# Altium PCB 400484.PcbDoc (part 5 of 5)
Units mil, origin at the board's own origin, x right, y up, seen from the top; angles counter-clockwise.
Board outline 5375.1 x 2500 mil, 4 copper layers (Top Layer, Mid-Layer 1, Mid-Layer 2, Bottom Layer), stack 61.731 mil thick; 327 components, 226 nets, 1370 pads, 1365 vias.
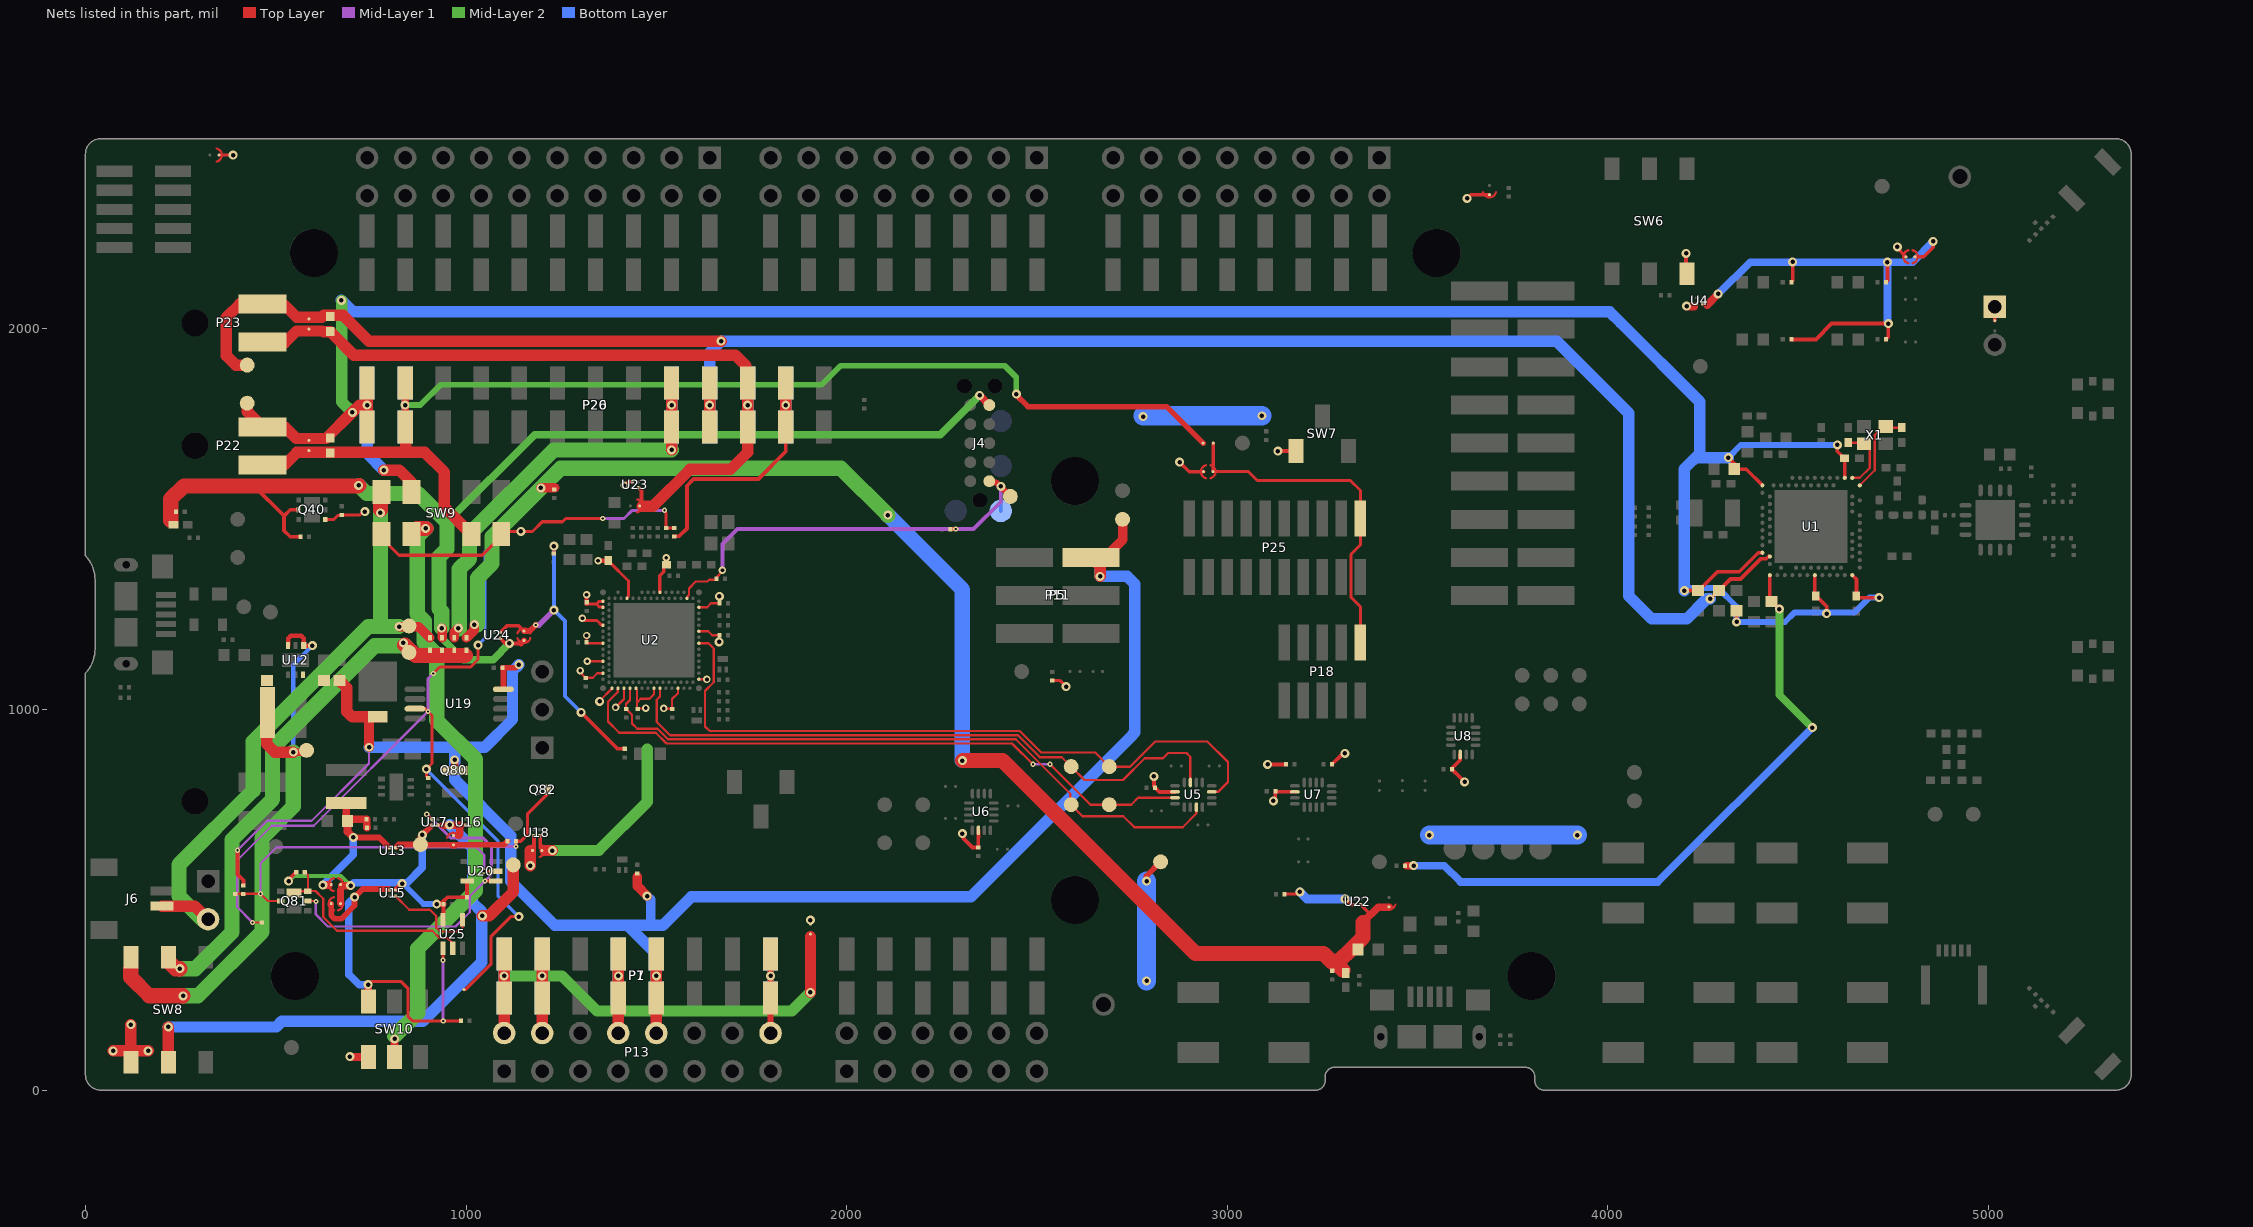
[diagram p7: the nets of this part, all layers, seen from the top]

## Via types
v1: diameter 23.62, hole 11.81, Top Layer to Bottom Layer, tented both sides, 881 vias
v2: diameter 19.68, hole 9.84, Top Layer to Bottom Layer, tented both sides, 281 vias
v3: diameter 13.78, hole 5.91, Top Layer to Mid-Layer 1, tented both sides, 129 vias
v4: diameter 13.78, hole 5.91, Top Layer to Mid-Layer 1, tented top, 40 vias
v5: diameter 24, hole 12, Top Layer to Bottom Layer, tented both sides, 24 vias
v6: diameter 11.81, hole 3.94, Top Layer to Mid-Layer 1, tented top, 10 vias

## Nets (pads, with @x,y where several pads share a name; then routed paths per layer and width w, separated by ;. In a path a pad name is that pad's centre, name@x,y a point inside that pad or via, vN(x,y) a via of type N, cw(c..) or ccw(c..) an arc to the next point about the centre after c; other vN are vias at no path point) (continued)
V5V: C82.2 C83.2 C85.2 D84.1 P1.5 P5.2 P7.5 P11.2 P13.10 Q80.2 R83.1 R93.1 TP36.1 U12.6 U19.8 | length 5167.9
  Top Layer w10: v3(399.58,630.14) 399.58,566.78 414.87,551.49 R83.1@414.87,538.22
  Top Layer w15: C85.2@1096.69,1110 1131,1110 v1(1139,1118) ; U19.8@1098.14,1053.39 C85.2@1098.14,1108.54
  Top Layer w20: Q80.2@970.04,840 v1(970.04,867.96)
  Top Layer w25: v1(745,901) D84.1@745,981.04 ; 1450,561.31 1450,536 v1(1476,510) ; P5.2@2642.5,1400 2679,1400 2725,1446 TP36.1@2725,1500
  Top Layer w30: C83.2@667.29,1076.62 667.8,1076.62 668.04,1076.38 668.04,1075.87 687.01,1056.9 687.01,994.47 700.44,981.04 745,981.04 D84.1@768,981.04 ; P13.10@1500,150 P1.5@1500,242.32 v1(1500,300) P1.5@1500,357.68 ; P5.2@2642.5,1400 2666.22,1376.28 v1(2666.22,1350.22)
  Mid-Layer 1 w5.91: v3(399.58,630.14) 477.12,707.68 594.24,707.68 745,858.44 v1(745,901)
  Bottom Layer w20: 860.53,903.47 863,901 ; 970.04,898.04 973,901
  Bottom Layer w25: v1(1476,510) 1485,501 1485,433
  Bottom Layer w30: v1(745,901) 863,901 973,901 1049,901 1122,974 1122,1101 v1(1139,1118) ; 970.04,898.04 v1(970.04,867.96) 970.04,815.39 1117.13,668.31 1117.13,549.21 1233.34,433 1424.68,433 ; P7.5@1500,242.32 v1(1500,300) P7.5@1500,357.68 1424.68,433 ; P11.2@2666.22,1400 v1(2666.22,1350.22) 2736.78,1350.22 2757,1330 2757,939.67 2752,934.67 2752,933.33 2326.67,508 1592,508 1517,433 1485,433 1424.68,433
VBOOST_SRC: C80.2 L80.1 SW8.6 TP28.1 U12.1 U12.3 | length 1571.9
  Top Layer w11.81: U12.3@532.45,1168.16 532.45,1186.83 539.37,1193.75 566.87,1193.75 573.79,1186.83 U12.1@573.79,1168.16 596.31,1168.16 v1(596.46,1168.31)
  Top Layer w20: v1(546,888) 576,888 TP28.1@579.72,891.72
  Top Layer w30: L80.1@476.35,995.91 476.35,909.48 497.83,888 v1(546,888)
  Top Layer w40: 119.2,319.27 119.2,296.43 167.63,248 v1(256.63,248)
  Mid-Layer 2 w40: v1(256.63,248) 296,248 464,416 464,663 546,745 v1(546,888)
  Bottom Layer w11.81: v1(546,888) 546,1117.85 v1(596.46,1168.31)
VBOOST_SRC': D80.1 D81.1 D82.1 D83.1 SW8.5 TP32.1 | length 1373.2
  Top Layer w40: SW8.5@217.98,338.07 236.78,319.27 v1(247.84,319.27) ; v1@839,1170 867,1142 998,1142
  Mid-Layer 2 w40: v1(247.84,319.27) 289.27,319.27 385,415 385,658 491.14,764.14 491.14,899.14 759.5,1167.5 v1@840,1167.5
  other v1: 835,1175
VBUS: C69.2 D80.2 FB61.2 J4.5 Q40.2 R40.1 SB48.2 U24.A2 | length 3286.1
  Top Layer w9.84: U24.A2@1089.87,1187.13 v1@1103.3,1173.7
  Top Layer w10: 443.24,1587.76 521,1510 522,1510 ; Q40.2@557.8,1525 538,1525 523,1510 522,1510 ; R40.1@564.78,1454 538,1454 522,1470 522,1510 ; v1@1103.3,1173.7 v1(1114,1173.7) 1144.13,1173.7
  Top Layer w15: 1144.13,1173.7 SB48.2@1152,1181.57
  Top Layer w19.68: v1(2349.41,1825.79) 2349.41,1825.59 J4.5@2375,1800
  Top Layer w25: v1(936,1214) 937,1213 D80.2@937,1188.41
  Top Layer w40: 223.8,1496.5 223.8,1552.8 258.76,1587.76 443.24,1587.76 716.76,1587.76 v1(718,1589)
  Mid-Layer 2 w19.68: v1(936,1214) 936,1188.02 993.11,1130.91 1071.21,1130.91 v1(1114,1173.7)
  Mid-Layer 2 w20: 949.8,1492.13 1180.12,1722.44 2246.06,1722.44 v1(2349.41,1825.79)
  Mid-Layer 2 w40: v1(718,1589) 739,1568 873.93,1568 949.8,1492.13 949.8,1422.24 928.81,1401.25 928.81,1265.19 936,1258 v1(936,1214)
VBUS_IMCU: R7.2 R13.1 SB48.1 U24.A1 | length 808.3
  Top Layer w8: R13.1@1230.82,1409.88 v1(1230.82,1429.66)
  Top Layer w9.84: U24.A1@1089.87,1202.87 1107.47,1220.47 1137.7,1220.47 1146.14,1212.03 ; v1(1302.17,992.85) 1397.97,897.05 R7.2@1417.32,897.05
  Top Layer w15: SB48.1@1152,1206.17 1165.9,1206.17 ; 1167.43,1206.17 v4(1183.41,1222.16)
  Mid-Layer 1 w15: v4(1183.41,1222.16) 1191.45,1222.16 v1(1230.82,1261.53)
  Bottom Layer w9.84: v1(1230.82,1429.66) v1(1230.82,1261.53) 1259.84,1232.5 1259.84,1035.17 v1(1302.17,992.85)
VBUS_nRF: C21.1 R98.2 U1.AD2 | length 1697.9
  Top Layer w9.84: U1.AD2@4425.73,1353.05 4425.73,1289.07 C21.1@4430.65,1284.15 v1@4450.9,1263.9
  Top Layer w20: R98.2@3472,590 v1(3490,590)
  Mid-Layer 2 w20: v1(4451,1264) 4451,1039.16 v5(4537.4,952.76)
  Bottom Layer w20: v1(3490,590) 3570,590 3613,547 4131.65,547 v5(4537.4,952.76)
VBUS_NRF': C68.2 C91.2 D81.2 FB60.2 R97.1 SB80.2 U22.A2 | length 3706
  Top Layer w8: U22.A2@3350.88,487.35 3376.08,462.15
  Top Layer w20: 3356.4,440.85 3396.55,481 3411.66,481 SB80.2@3425,481
  Top Layer w25: D81.2@1001,1188.41 1022,1209.41 v1(1022,1223) ; v1(1196.85,1582.68) R97.1@1233.02,1582.68
  Top Layer w40: v1(2304.13,866.14) 2409.25,866.14 2916.39,359 3253.29,359 3276.5,335.79 3280.13,339.42 3287.28,332.28 ; FB60.2@3303.56,316 3291.17,328.39 3287.28,332.28 ; 3356.4,440.85 3356.4,401.4 3334.21,379.21 3287.28,332.28
  Mid-Layer 2 w40: v1@1030,1223 1030,1346 1068,1384 1068,1453.83 v1(1196.85,1582.68) 1248.03,1633.86 1985.24,1633.86 v1(2108.27,1510.83)
  Bottom Layer w40: v1(2108.27,1510.83) 2304,1315.09 2304,866.28 v1(2304.13,866.14)
VCOM_CTS: R10.1 TP1.1 U2.AL9 U5.3 | length 1746.3
  Top Layer w6: U2.AL9@1430.66,1056.17 1430.66,1025.15 1420.28,1014.76 1420.28,1001.38 1420.87,1001.38 1436.02,986.22 1436.02,963.58 1449.8,949.8 1502.85,949.8 1530.76,921.89 2444.23,921.89 2587.44,778.69 2587.44,752.56 2620,720 2727,720 2756,691 2883,691 2918.87,726.87 U5.3@2918.87,743.52
VCOM_RTS: TP3.1 U2.AL5 U5.15 | length 1686.2
  Top Layer w6: U2.AL5@1399.16,1056.17 1398.62,1055.63 1398.62,1046.26 1373.03,1020.67 1373.03,968.5 1402.26,939.28 1498.3,939.28 1526.51,911.06 2434.67,911.06 v3(2489.32,856.41) ; v3(2534.45,856.3) 2640.75,750 TP3.1@2690,750 2747.62,750 2765.75,768.13 U5.15@2862.77,768.13
  Mid-Layer 1 w6: v3(2489.32,856.41) v3(2489.32,856.41) 2534.39,856.36 v3(2534.45,856.3)
VCOM_RxD: TP2.1 U2.AL19 U5.11 | length 1658.3
  Top Layer w6: U2.AL19@1509.4,1056.17 1509.4,1034.01 1500.98,1025.59 1500.98,967.52 1536.09,932.42 2450.3,932.42 2507.72,875 2565,875 TP2.1@2590,850 2625,815 2726.27,815 2783.27,872 2831,872 2844.83,885.83 2893.17,885.83 2902.85,876.15 U5.11@2902.85,808.35
VCOM_TxD: TP4.1 U2.U31 U5.7 | length 1832.6
  Top Layer w6: U2.U31@1611.76,1174.28 1636.79,1174.28 1650.59,1160.48 1650.59,1071.62 1627.95,1048.98 1627.95,955.71 1640.12,943.54 2454.63,943.54 2511.18,887 2653,887 TP4.1@2690,850 2744.3,850 2810.64,916.34 2947.66,916.34 3002,862 3002,809.7 2976.05,783.75 U5.7@2958.95,783.75
VDBG: P18.1 P25.1 SB59.1 SB60.1 | length 903
  Top Layer w8: SB60.1@2963.3,1700 2963.3,1638.08 2963.3,1626 SB59.1@2962.3,1625 2969.17,1625 3056,1625 3079,1602 3323.45,1602 3350,1575.45 3350,1433 3325,1408 3325,1295 3350,1270 P18.1@3350,1176.77
VDD: C42.2 C45.2 C48.2 C50.2 P29.1 Q40.4 R41.1 R52.1 R53.1 R54.2 R68.2 SB9.1 SB16.1 SB31.1 SB37.2 SB38.2 SB47.1 SB59.2 SW6.6 SW7.3 SW8.3 SW10.6 TP37.1 U4.A2 U5.14 U6.14 U7.14 U8.14 U18.A2 U22.B2 U23.B2 | length 2629.2
  Top Layer w7.87: SB47.1@351.3,2457 v1(388,2457) ; Q40.4@632.2,1499.41 652.41,1499.41 663.4,1510.4 672.62,1510.4 R41.1@674,1511.78 721.42,1511.78 729.64,1520 v1(734,1520) ; R68.2@2540,1075.78 2561.22,1075.78 v1(2576.69,1060.31) ; R54.2@3150.22,515 3185,515 v1(3191,521) ; v1(4761,2216) 4761,2211.77 SB9.1@4783.04,2189.73
  Top Layer w9.84: v2(1416.2,1589.49) 1418.86,1589.49 1428.24,1598.87 U23.B2@1437.2,1598.87
  Top Layer w10: 1178.78,629.62 U18.A2@1178.78,667.31 ; v1(2304,674) 2306.68,671.32 2306.68,661.32 2330.78,637.22 C45.2@2345.41,637.22 ; C45.2@2346,637.22 2346,664.87 2346.13,665 U6.14@2346.13,682.77 ; v1(2807.31,824.31) 2807.31,798.5 2810.22,795.59 C42.2@2810.22,795 2810.22,794.41 2810.54,794.09 2811.13,794.09 2821.47,783.75 U5.14@2862.5,783.75 ; v1(2875,1650) 2900,1625 2930.83,1625 SB59.2@2937.7,1625 ; v1@3106,855 v1@3107,856 ; v1(3106,856) v1@3107,856 ; v1(3121,760) 3121,763.79 3126.22,769.01 3126.22,785.41 3126.54,785.09 3127.13,785.09 3128.35,783.87 U7.14@3177.77,783.87 ; v1(3133,1679) 3133.72,1679.72 SW7.3@3181.1,1679.72 ; R53.1@3154.78,856 v1@3107,856 ; R52.1@3275.22,856 3275.22,856.59 3275.54,856.91 3276.13,856.91 3301.54,882.32 3306.32,882.32 v1(3309,885) ; v1(3310,502) 3324.65,487.35 U22.B2@3335.13,487.35 ; U8.14@3612.13,881.77 3611.71,881.35 3611.71,866.96 3590.54,845.78 3590.54,843.31 C50.2@3590.22,843 3590.22,842.41 3590.54,842.09 3591.13,842.09 3598.45,834.77 3599.23,834.77 v1(3624,810) ; v1(3630,2343) 3639.7,2352.7 SB31.1@3689,2352.7 ; v1(4205.71,2198.82) 4205.71,2163.6 4206,2163.31 SW6.6@4207.43,2164.73 ; 4224.11,2056.11 U4.A2@4233.75,2065.75 ; SB16.1@5016.73,2021.65 P29.1@5016.73,2058.35
  Top Layer w15: v1(2788,549) 2788,563 TP37.1@2825,600
  Top Layer w20: v1(695,88) 695.83,87.17 SW10.6@743.1,87.17 ; v1@4207,2059 4227,2059
  Top Layer w30: v1(72.77,103.46) 119.19,103.46 ; SW8.3@119.2,73.2 119.19,103.46 ; SW8.3@119.19,100.75 119.19,103.46 ; v1(164.77,103.46) 119.19,103.46 ; 1168.48,629.62 1169,629.1 v1(1169,590) ; 119.19,103.46 v1(119.19,172.02) 119.19,103.46
  Bottom Layer w24: v1(3191,521) 3210,502 v1(3310,502)
  Bottom Layer w50: v1@2779,1772 v1(3091,1772) ; v1(2788,287) v1(2788,549) ; v1(3531,670) v1(3920,670)
  other v1: 1905,447 2779,1770 4207,2060
VDD_HV: C19.1 P20.10 P23.1 P26.10 R91.2 SB41.1 TP25.1 U1.Y2 | length 5284.6
  Top Layer w9.84: v1@4274.09,1287.72 4274.09,1294.91 C19.1@4291.87,1312.69 4322.18,1343 4348.31,1343 4401.31,1396 4409,1396 4416.49,1396.02 4422.73,1402.26 U1.Y2@4425.73,1402.26
  Top Layer w30: TP25.1@425,1905 395,1905 370,1930 370,2030 405.75,2065.75 P23.1@464.99,2065.75 ; P23.1@464.99,2063 522.99,2063 554.69,2031.3 621.29,2031.3 625.99,2036 676.99,2036 744.99,1968 v1(1670,1968) ; P20.10@1640,1742.32 v1(1640,1800) P20.10@1640,1857.68
  Bottom Layer w30: P26.10@1640,1742.32 v1(1640,1800) P26.10@1640,1857.68 1640,1938 v1(1670,1968) 3865.54,1968 4055,1778.54 4055,1298.46 4115.37,1238.09 4207.19,1238.09 4260.09,1291 v1(4269,1291)
VDD_HV': P20.11 P23.2 P26.11 R91.1 SB41.2 SB81.1 U23.A1 | length 2046.8
  Top Layer w9.84: U23.A1@1452.95,1583.12 1461.02,1575.05
  Top Layer w10: 1461.02,1535.36 1461.02,1543.24 1461.02,1575.05
  Top Layer w30: P23.2@464.99,1963 522.99,1963 554.69,1994.7 621.29,1994.7 ; 626.38,1992.64 643.66,1992.64 705.2,1931.1 1707.9,1931.1 1734.92,1904.08 1734.92,1862.76 P20.11@1740,1857.68 v1(1740,1800) P20.11@1740,1742.32 1739.73,1742.06 1739.73,1675.76 1694.88,1630.91 1588.27,1630.91 1492.13,1534.76 1462.99,1534.76
  Bottom Layer w30: P26.11@1740,1742.32 v1(1740,1800) P26.11@1740,1857.68
VDD_IMCU: C24.1 C25.1 C26.1 C27.1 C28.1 C31.1 C32.1 C33.1 C34.1 C35.2 J4.1 R66.2 SB37.1 TP35.1 TP52.1 U2.A19 U2.AC1 U2.AG1 U2.AJ31 U2.AL3 U2.AL7 U2.AL11 U2.AL17 U2.AL25 U2.B8 U2.B28 U2.C1 U2.E1 U2.E31 U2.L1 U2.N31 U2.U1 U18.A1 | length 2742.3
  Top Layer w5.91: v2(1300.2,1102.36) 1302.83,1099.73 1302.83,1094.61 1314.36,1083.08 1316.82,1083.08 1317.47,1083.73 1333.22,1083.73 1345.03,1095.54 U2.AG1@1359.79,1095.54 ; v2(1316.49,1194.61) 1316.68,1194.42 1316.68,1177.43 C25.1@1316.88,1177.24 ; C25.1@1316.88,1174.28 U2.U1@1359.79,1174.28 ; v2(1318.46,1127.04) U2.AC1@1359.79,1127.04 ; v1@1351.98,1022.49 v1(1351.23,1021.75) 1351.23,1023.19 1383.42,1055.37 U2.AL3@1383.42,1056.17 ; v2(1392.87,1005.68) 1414.91,1027.72 U2.AL7@1414.91,1056.17 ; U2.AL11@1446.41,1056.17 1446.41,1055.37 1449.42,1052.36 1449.42,1018.7 ; v2(1472.44,1003.94) 1471.2,1002.69 1452.19,1002.69 1451.36,1001.87 1449.42,1003.81 1449.42,1018.7 ; U2.AL17@1493.65,1054.81 1493.65,1039.91 1482.28,1028.54 1459.27,1028.54 1449.42,1018.7 ; v2(1519.68,1002.95) 1520.44,1002.2 1540.59,1002.2 C31.1@1541.34,1001.45 1541.34,1027.56 1556.65,1042.87 U2.AL25@1556.65,1056.17 ; U2.B28@1580.27,1292.39 1580.27,1295.35 1585.68,1300.76 1585.68,1318.25 1603.62,1336.19 1633.63,1336.19 1638.7,1341.26 1655.27,1341.26 1656.47,1342.47 1656.47,1345.96 1673.77,1363.26 v2(1673.77,1366.21) ; U2.AJ31@1611.76,1079.8 v2@1624.27,1079.8 ; U2.N31@1611.76,1205.78 1636.37,1205.78 1647.09,1195.05 1665.4,1195.05 C32.1@1665.5,1194.95 1664.82,1194.27 v1(1664.82,1178.16)
  Top Layer w6: U2.E31@1611.76,1268.77 1633.43,1268.77 1643.82,1279.16 C33.1@1665.5,1279.16 v1(1665.5,1297.47)
  Top Layer w7.36: C35.2@1377.51,1387.19 1426.47,1338.23 1426.47,1298.76 1425.5,1297.79 1425.5,1295.51 1422.79,1292.8 U2.B8@1422.79,1292.39
  Top Layer w7.87: v2(1305.66,1240.23) 1311.57,1234.32 1343.96,1234.32 1356.75,1221.53 U2.L1@1359.79,1221.53 ; C24.1@1316.49,1277.04 1340.5,1277.04 ; U2.E1@1359.79,1268.77 1359.61,1268.96 1350.75,1268.96 1342.57,1277.14 1349.95,1284.52 U2.C1@1359.79,1284.52
  Top Layer w8: v2(1632.82,1079.16) v2@1636.04,1082.38
  Top Layer w8.86: U2.A19@1509.4,1308.14 1509.4,1351.25 1519.74,1361.59 1519.74,1374.58 1525.15,1379.99 1526.13,1379.99 1526.63,1380.48 1526.63,1398.18 v2(1526.13,1398.67)
  Top Layer w9.84: C24.1@1316.49,1277.04 v2(1316.49,1301.77)
  Top Layer w10: 1194.78,637.62 1194.78,645.94 U18.A1@1194.78,667.62 ; R66.2@2272.44,1474.41 v3(2286.81,1474.41)
  Top Layer w11.81: v2(1347,1390.82) C35.2@1371.61,1390.82
  Top Layer w15.75: J4.1@2375,1600 2377.92,1597.08 2392.92,1597.08 TP35.1@2430,1560
  Top Layer w30: 1207.78,629.62 v1(1226.78,629.62)
  Mid-Layer 1 w10: v2(1673.77,1366.21) 1673.77,1435.11 1712.82,1474.16 2286.81,1474.16 2333.41,1474.16 2405,1545.75 v1(2405,1586.61)
  Mid-Layer 2 w30: v1(1226.78,629.62) 1348.13,629.62 1476.38,757.87 1476.38,895.67
  Bottom Layer w10: TP52.1@2405,1521.89 v1(2405,1586.61)
VDD_NRF: C6.1 C7.1 C8.1 C12.1 C14.1 L4.1 P20.1 P22.1 P26.1 R90.2 SB40.1 SW9.6 TP24.1 U1.A22 U1.AD14 U1.AD23 U1.B1 U1.W1 | length 7085.3
  Top Layer w9.84: v1(4201.32,1312.69) C6.1@4236.72,1312.69 4238.72,1312.69 4288.03,1362 4345.32,1362 4395.32,1412 U1.W1@4406.05,1412 ; v1(4316.48,1662.1) 4332.23,1646.35 C14.1@4332.23,1631.65 4363.66,1631.65 U1.B1@4406.05,1589.27 ; v1@4338.13,1225.09 L4.1@4338.13,1259.54 ; C7.1@4543.84,1298.91 U1.AD14@4543.84,1353.05 ; C7.1@4546.84,1298.91 4575,1270.75 v1@4575,1260 ; v1(4602.94,1695.57) 4602.94,1678.79 C12.1@4621.6,1660.13 4622.58,1659.15 U1.A22@4622.58,1608.95 ; U1.AD23@4642.27,1353.05 4653.09,1342.22 C8.1@4653.09,1298.91 4658.01,1294 v1(4713,1294)
  Top Layer w30: TP24.1@425,1805 425,1782.9 P22.1@464.99,1742.91 522.99,1742.91 553.69,1712.21 632.21,1712.21 v1(701,1781) 720,1800 v1(740,1800) ; P20.1@740,1742.32 v1(740,1800) ; P20.1@740,1857.68 v1(740,1800) ; v1(784,1629) 825,1629 856.26,1597.74 SW9.6@856.26,1571.12
  Mid-Layer 2 w30: v1@673,2074.2 673,1809 v1(701,1781)
  Bottom Layer w15.75: v1(4201.32,1312.69) 4208.41,1319.78 4289.22,1319.78 4338.13,1270.87 v1@4338.13,1233 ; v1(4316.48,1662.1) 4349.94,1695.57 v1@4599.94,1695.57 ; v1(4338.13,1230.09) 4465.64,1230.09 4490.32,1254.78 4575,1254.78 4647.78,1254.78 4687,1294 v1(4713,1294)
  Bottom Layer w30: v1(672.6,2075.2) 702.3,2045.5 4004.7,2045.5 4034.45,2015.75 4241.29,1808.9 4241.29,1672.96 ; P26.1@740,1857.68 v1(740,1800) P26.1@740,1742.32 740,1673 v1(784,1629) ; v1(4201.32,1312.69) 4200.48,1313.53 4200.48,1632.15 4241.29,1672.96 ; v1(4316.48,1662.1) 4241.29,1662.1 4241.29,1672.96
  other v1: 4575,1252
VDD_NRF': P20.2 P22.2 P26.2 R90.1 SB40.2 SB60.2 SW9.3 | length 3254.2
  Top Layer w15: v1(2445.87,1828.74) 2445.87,1826.77 2476.64,1796 2840.7,1796 SB60.2@2936.7,1700
  Top Layer w20: P20.2@840,1742.32 v1(840,1800) P20.2@840,1857.68
  Top Layer w30: P22.2@464.99,1642.91 522.99,1642.91 555.69,1675.61 841,1675.61 ; P20.2@840,1742.32 841,1741.32 841,1675.61 ; SW9.3@1013.74,1460.88 943,1531.62 943,1624 891.39,1675.61 841,1675.61
  Mid-Layer 2 w15: v1(840,1800) 879.72,1800 933.32,1853.59 1934.06,1853.59 1984,1903.54 2415.35,1903.54 2445.87,1873.03 v1(2445.87,1828.74)
  Bottom Layer w20: P26.2@840,1742.32 v1(840,1800) P26.2@840,1857.68
VDD_NRF_SENSE: R5.1 R88.1 R89.1 R99.1 SB58.1 SW9.1 SW9.4 U19.3 | length 3390.2
  Top Layer w5.91: v3(439.14,440.78) R89.1@463,440.78
  Top Layer w8: SW9.1@777.52,1460.88 797.14,1441.26 797.14,1432.19 823.82,1405.51 1042.32,1405.51 1070.2,1433.39 1072.86,1433.39 1096.04,1456.57 SW9.4@1096.04,1460.88 ; U19.3@865.86,1002.2 892.8,1002.2 v3(900,995) 910.57,984.43 910.57,858.41 v5(895.67,843.5) 895.67,825.79 R5.1@901.57,819.88 ; v3(914,1095) 931,1112 1012,1112 1031.5,1131.5 v1(1031.5,1169.5) ; SB58.1@994.3,264 998.25,264 1065.02,330.77 1065.02,402.91 1117.82,455.71 v1(1138.78,455.71) ; SW9.4@1092.48,1460.88 1099.6,1468 v1(1144,1468) 1174.66,1468 1200.13,1493.47 1253.63,1493.47 1262.12,1501.97 v3(1359.25,1501.97) ; v3(1521.65,1523.62) 1521.65,1522.06 1525.59,1518.12 R88.1@1525.59,1477.53 R99.1@1547.24,1477.53
  Mid-Layer 1 w6: v3(439.14,440.78) 398.62,481.3 398.62,604.33 489.17,694.88 599.88,694.88 v3(900,995)
  Mid-Layer 1 w8: v3(900,995) 900,1081 v3(914,1095) ; v3(1359.25,1501.97) 1415.24,1501.97 1436.89,1523.62 v3(1521.65,1523.62)
  Bottom Layer w8: v5(895.67,843.5) 1083.66,655.51 1083.66,510.83 v1(1138.78,455.71) ; v1(1031.5,1169.5) 1049.21,1187.21 1049.21,1415.21 1102,1468 v1(1144,1468)
VDD_PER: R47.2 R48.2 R50.2 R51.2 SB9.2 U4.A1 | length 1366.8
  Top Layer w9.84: U4.A1@4249.99,2066 4261.24,2066
  Top Layer w10: R50.2@4482.06,1972.73 4546.73,1972.73 4588,2014 v1(4736.84,2014) 4736.84,1979.1 4731.06,1973.32 R51.2@4731.06,1972.73 ; R47.2@4482.06,2122.73 4482.06,2123.32 4485.84,2127.1 v1(4485.84,2176.04) 4485.84,2143.41 ; R48.2@4731.06,2122.73 4731.06,2123.32 4734.84,2127.1 v1(4734.84,2175.73) ; SB9.2@4807.64,2189.73 4814.51,2189.73 4830.07,2189.73 4855,2214.66 v1(4855,2230)
  Top Layer w20: 4261,2063 v1(4290,2092)
  Bottom Layer w20: v1(4290,2092) 4373.73,2175.73 v1(4734.84,2175.73) ; v1@4734.84,2014 v1(4734.84,2175.73) ; v1(4855,2230) 4800.73,2175.73 v1(4734.84,2175.73)
VEXT: R92.1 SB36.2 SW10.3 U15.A1 U25.1 | length 1083.6
  Top Layer w8: v1(743,277) 751.09,285.09 829.91,285.09 847,268 847,194 859,182 v4(940,182) R92.1@986.78,182 ; SW10.3@743.1,232.83 SW10.3@743.1,246.1 ; v4(939.41,341.59) U25.1@939.41,372.6
  Top Layer w15: SB36.2@645.8,490 645.8,476.1 645.8,459.2 655,450 672,450 707,485 v1(707,507) 728.5,528.5 U15.A1@796.5,528.5
  Top Layer w20: v1(743,277) 743,232.94 SW10.3@743.1,232.83
  Mid-Layer 1 w8: v4(939.41,341.59) 939.41,182.59 v4(940,182)
  Bottom Layer w20: v1(707,507) 692,492 692,304 719,277 v1(743,277)
VEXT_EN: U15.B2 U25.4 | length 258.2
  Top Layer w6: U15.B2@814.87,510.13 851.02,473.98 905.02,473.98 922,457 922,427 932,417 983.72,417 990.59,423.87 U25.4@990.59,447.4
VIN: P1.8 P7.8 P13.16 | length 323
  Top Layer w15: P13.16@1800,150 P1.8@1800,242.32 v1(1800,300) P1.8@1800,357.68
  Bottom Layer w15: P7.8@1800,242.32 v1(1800,300) P7.8@1800,357.68
VIN3-5V: D83.2 P20.9 P26.9 | length 1264
  Top Layer w25: D83.2@969,1188.41 969,1203 v1(980,1214)
  Top Layer w30: v1(1540,1682.09) P20.9@1540,1742.32 v1(1540,1800) P20.9@1540,1857.68
  Mid-Layer 2 w40: v1@982,1212 982,1369 1009,1396 1009,1460.77 1230.31,1682.09 v1(1540,1682.09)
  Bottom Layer w30: v1(1540,1682.09) P26.9@1540,1742.32 v1(1540,1800) P26.9@1540,1857.68
VIO: P1.1 P1.2 P1.4 P7.1 P7.2 P7.4 P13.2 P13.4 P13.8 SB38.1 | length 2128.6
  Top Layer w15: v1(1400,300) P1.4@1400,357.68
  Top Layer w30: P13.2@1100,150 P1.1@1100,242.32 P1.1@1100,357.68 ; P13.4@1200,150 v1(1200,300) P1.2@1200,357.68 ; P13.8@1400,150 P1.4@1400,357.68 ; v1(1905,257) 1905,403
  Mid-Layer 2 w30: v1(1100,300) v1(1200,300) 1252,300 1344,208 1399,208 ; v1(1400,300) 1400,209 1399,208 ; v1(1905,257) 1856,208 1399,208
  Bottom Layer w30: P7.1@1100,242.32 P7.1@1100,357.68 ; P7.2@1200,242.32 P7.2@1200,357.68 ; P7.4@1400,242.32 P7.4@1400,357.68
VIO_REF: P20.12 P26.12 R99.2 | length 745.9
  Top Layer w10: R99.2@1547.24,1455.09 1547.56,1455.41 1559.74,1455.41 1580.18,1475.85 1580.18,1588.13 1598.04,1605.99 1768.02,1605.99 1840,1677.97 P20.12@1840,1742.32
  Top Layer w30: P20.12@1840,1742.32 v1(1840,1800) P20.12@1840,1857.68
  Bottom Layer w30: P26.12@1840,1742.32 v1(1840,1800) P26.12@1840,1857.68
VLI-ION: D82.2 J6.2 P27.2 SW9.5 TP31.1 | length 1671.8
  Top Layer w25: v1(824,1218) 875.41,1218 D82.2@905,1188.41
  Top Layer w30: J6.2@201,483.31 287.69,483.31 P27.2@322,449
  Top Layer w40: v1@775,1525 775,1568.6 SW9.5@777.52,1571.12
  Mid-Layer 2 w40: P27.2@322,449 306,449 245.5,509.5 245.5,592.5 440.94,787.94 440.94,915.94 743,1218 775,1218 ; v1(775,1517) 775,1218 ; v1(824,1218) 775,1218
VREG: C87.2 C88.2 L81.2 R82.2 SB34.2 U13.A1 | length 446
  Top Layer w15: v1(704,664) 772,664 U13.A1@796.5,639.5
  Top Layer w20: v1(624,539) 638.9,539 638.96,538.94 ; L81.2@685,751.69 685,710.57 C88.2@688.57,707 ; v1(704,664) 688.57,679.43 C88.2@688.57,707 ; C87.2@739.78,690 738.78,691 R82.2@738.78,712 693.57,712 C88.2@688.57,707
  Bottom Layer w20: v1(624,539) 704,619 v1(704,664)
VREG_EN: Q81.2 R83.2 R85.1 U20.2 | length 891
  Top Layer w6: R85.1@393.87,515.78 R83.2@414.87,515.78 v3(460,515.78) 478.78,497 Q81.2@510.6,497 ; v3(1048,575) U20.2@1077.4,575
  Mid-Layer 1 w6: v3(460,515.78) 460,596 502.25,638.25 1027.75,638.25 1048,618 v3(1048,575)
VREG_EN_INV: Q81.6 R86.2 U25.2 | length 559.1
  Top Layer w6: Q81.6@548,515.7 554.89,522.59 Q81.6@585.2,522.59 ; R86.2@576.22,573 576.22,572.41 578.54,570.09 579.13,570.09 584.69,564.54 584.69,523.31 604.69,523.31 625,503 625,454.72 660.72,419 715.41,419 827.41,419 911,419 930,400 951,400 U25.2@965,386
VSENSE_SW_OUT: SB39.1 SW8.2 TP30.1 U16.A2 U17.A1 | length 1649.3
  Top Layer w9.84: U17.A1@925.87,696.13 940,696.13 ; 983.13,696.13 U16.A2@999.13,696.13
  Top Layer w20: 940,696.13 983.13,696.13 983.13,672.43 980.5,669.8 980,669.3
  Top Layer w30: SW8.2@217.62,78.74 v1(217.62,165.99) ; v1(1043,458) 1061,458 1124,521 TP30.1@1124,585
  Bottom Layer w30: v1(217.62,165.99) 501.05,165.99 516,180.94 885.94,180.94 1041,336 1041,468.87 1016.91,492.97 1016.91,637.09 v1(957,697)
VSRC_NRF: SW9.2 SW10.5 | length 1587
  Top Layer w20: SW10.5@812,87.17 v1(812,135)
  Top Layer w40: SW9.2@856.26,1460.88 871.38,1476 v1(894,1476)
  Mid-Layer 2 w40: v1@812,142 873,203 873,372 1025,524 1025,869.68 923,971.68 923,1145 890,1178 890,1233.05 871.49,1251.56 871.49,1453.49 v1(894,1476)
VSUPPLY: C90.2 C93.2 R86.1 R87.1 SB34.1 SB36.1 SB39.2 TP29.1 U13.A2 U15.A2 U17.A2 U20.5 U25.5 | length 1232.3
  Top Layer w10: v1(534,549) 534,553.22 R86.1@553.78,573 ; U25.5@939.41,447.4 940.78,448.77 C90.2@940.78,489 940.78,496.83 950.94,507 C93.2@1002.78,507 1002.78,549.23 U20.5@1002.6,549.41
  Top Layer w15: U15.A2@817.5,528.5 v1(831.8,542.8) ; U13.A2@818,640 823.3,645.3 880,645.3 880,666 v1(885,671) U17.A2@907,693 ; TP29.1@880,645 880,645.1 952.8,645.1 981.2,645.1 1099.88,645.1 R87.1@1108.78,654 ; v1(923,489) C90.2@940.78,489
  Top Layer w18: SB36.1@670.4,490 670.4,503.9 670.4,526.17
  Top Layer w20: SB34.1@672.89,537.41 676.98,537.41 v1(697,537.41)
  Mid-Layer 2 w10: v1(534,549) 548,563 671.41,563 v1(697,537.41)
  Bottom Layer w15: v1@834,542.8 887.8,489 v1(923,489)
  Bottom Layer w20: v1(697,537.41) 704.59,545 v1@831.8,545 ; v1@834,542.8 v1@831.8,545 ; v1(885,671) 885,585 845,545 v1@831.8,545
VSUPPLY_EN: Q81.5 Q82.3 R87.2 U17.B2 U20.1 | length 1191
  Top Layer w6: Q81.5@585.2,497 604.38,497 v3(605.43,495.94) ; v3(897,725) U17.B2@910.13,711.87
  Top Layer w8: v4(1049.59,549.41) U20.1@1077.4,549.41 ; v4(1131.22,640.22) R87.2@1131.22,654 1144,654 1161,671 1161,725 1214.78,778.78 Q82.3@1214.78,789
  Mid-Layer 1 w6: v3(605.43,495.94) 605.43,461.5 636.72,430.2 972.54,430.2 1009.84,467.5 1009.84,509.66 v4(1049.59,549.41)
  Mid-Layer 1 w8: v3(897,725) 959,663 1044,663 1066.78,640.22 ; v4(1049.59,549.41) 1067,566.82 1067,640 1066.78,640.22 ; v4(1131.22,640.22) 1066.78,640.22
XC1: C1.1 U1.B24 X1.1 | length 226.7
  Top Layer w6: U1.B24@4661.95,1589.27 4701.32,1628.64 4701.32,1721.16 4720.83,1740.66 C1.1@4771.76,1740.66
XC2: C2.1 U1.A23 X1.3 | length 169.2
  Top Layer w6: C2.1@4631.76,1701.29 4670.27,1701.29 X1.3@4673.22,1698.34 4688.53,1683.03 4688.53,1635.36 4662.12,1608.95 U1.A23@4642.27,1608.95
pads on no net: A1.2 A2.2 Fid1.0 Fid2.0 J2.0 J2.4 J3.0 J3.4 J4.0 J4.6 J4.7 J4.8 J4.9 J5.0 J5.1 J5.3 J5.5 J6.0 P18.7 P18.8 P19.7 P19.8 P19.9 P21.0 P22.0 P23.0 P25.7 P25.8 P25.11 P25.13 SW8.1 U1. U2. U2.A1 U2.A17 U2.A21 U2.A31 U2.AB2 U2.AD2 U2.AE1 U2.AE31 U2.AF2 U2.AG31 U2.AH2 U2.AJ1 U2.AK2 U2.AK4 U2.AK6 U2.AK8 U2.AK10 U2.AK12 U2.AK14 U2.AK16 U2.AK18 U2.AK20 U2.AL1 U2.AL13 U2.AL15 U2.AL21 U2.AL23 U2.AL31 U2.B10 U2.B14 U2.D2 U2.F2 U2.J1 U2.K2 U2.M2 U2.P2 U2.R31 U2.T2 U2.V2 U2.Y2 U5.1 U5.5 U5.9 U5.13 U6.1 U6.5 U6.9 U6.13 U7.7 U7.11 U8.11 U8.12 U8.13

## Polygon pours and split planes (outlines as drawn)
VDD on Mid-Layer 2 "Mid_Layer_2-VDD" (solid, remove dead copper, pour order 13): 0,0 0,2500 5375,2500 5375,0
VDD_IMCU on Mid-Layer 2 "Mid_Layer_2-VDD_IMCU" (solid, remove dead copper, pour order 10): 1259.84,1420.45 1259.84,875.98 1811.02,875.98 1811.02,1420.45
GND on Bottom Layer "Bottom_Layer-GND" (solid, remove dead copper, pour order 6): 0,0 0,2500 5375,2500 5375,0
GND on Mid-Layer 1 "Mid_Layer_1-GND" (solid, remove dead copper, pour order 7): 0,0 0,2500 5375,2500 5375,0
GND on Top Layer "Top_Layer-GND" (solid, remove dead copper, pour order 12): 0,0 0,2500 5375,2500 5375,0

## Keep-outs
Top Layer:
  circle w6: c2600,500 r94.49
  circle w6: c550,300 r94.49
  lines w6: 3578.36,2109.87 cw(c3550,2200) 3617.82,2134.21
Mid-Layer 1:
  circle w6: c2600,500 r94.49
  circle w6: c3550,2200 r94.49
  circle w6: c550,300 r94.49
Mid-Layer 2:
  circle w6: c3550,2200 r94.49
  circle w6: c550,300 r94.49
  lines w6: 2574.04,409.15 cw(c2600,500) 2626.77,409.38
Bottom Layer:
  circle w6: c2600,500 r94.49
  circle w6: c3550,2200 r94.49
  circle w6: c550,300 r94.49
Keep-Out Layer:
  circle w6: c600,2200 r94.49
  circle w6: c2600,1600 r94.49
  circle w6: c3800,300 r94.49
  circle w3.94: c549.9,0 r11.81
  circle w3.94: c593.2,0 r11.81
  circle w3.94: c636.5,0 r11.81
  circle w3.94: c4881.38,0 r11.81
  circle w3.94: c4838.08,0 r11.81
  circle w3.94: c4794.78,0 r11.81
  circle w3.94: c5375.03,1293.3 r11.81
  circle w3.94: c5375.03,1250 r11.81
  circle w3.94: c5375.03,1206.7 r11.81
  circle w3.94: c4794.78,2500 r11.81
  circle w3.94: c4838.08,2500 r11.81
  circle w3.94: c4881.38,2500 r11.81
  circle w3.94: c549.9,2500 r11.81
  circle w3.94: c593.2,2500 r11.81
  circle w3.94: c636.5,2500 r11.81
  circle w3.94: c0,1917 r11.81
  circle w3.94: c0,1960.3 r11.81
  circle w3.94: c0,2003.6 r11.81
  circle w3.94: c0,697.03 r11.81
  circle w3.94: c0,740.33 r11.81
  circle w3.94: c0,783.63 r11.81
  lines w10: -0.1,1095.7 ccw(c-69.2,1160.14) 25.29,1160.14 25.29,1339.86 ccw(c-69.2,1339.86) -0.1,1404.3 ; 0,1095.81 0,40 ccw(c40,40) 40,0 3232.24,0 ccw(c3232.24,25) 3257.24,25 3257.24,35 cw(c3282.24,35) 3282.24,60 3783.05,60 cw(c3783.05,35) 3808.05,35 3808.05,25 ccw(c3833.05,25) 3833.05,0 5335,0 ccw(c5335,40) 5375,40 5375,2460 ccw(c5335,2460) 5335,2500 40,2500 ccw(c40,2460) 0,2460 0,1404.3

## Other copper
Top Layer:
  region net NetL80_2: 557.05,1082.53 557.05,1100.24 547.21,1100.24 547.21,934.89 583.63,934.89 583.63,1055.95 cw(c589.18,1088.08)
  region net GND: 708,1110.09 540.32,1110.09 ccw(c540.32,1107.14) 537.37,1107.13 537.37,1082.53 527.53,1082.53 502.92,1107.13 447.84,1107.13 447.84,1168.31 513.45,1168.31 513.45,1149.45 619.24,1149.45 619.24,1165.35 708,1165.35
  region net V5V: 566.93,1100.38 566.93,1082.69 608.24,1059.89 688.94,1059.89 688.94,1091.38 597.41,1091.38 576.74,1100.24
  pour cut-out: 542.83,1035.31 542.83,1085.31 492.83,1085.31 492.83,1035.31
  region net VBOOST_SRC: 493.08,1091.38 493.08,934.89 458.66,934.89 458.66,1089.43 460.61,1091.38
  pour cut-out: 4640.75,2043.31 4640.75,2074.8 4767.37,2074.8 4767.37,2043.31
  pour cut-out: 4665.2,1468.21 4773.17,1468.21 4773.17,1541.04 4741.68,1541.04 4741.68,1582.21 4665.2,1582.21
  pour cut-out: 3569.2,197 3569.2,288 3803.94,288 3803.94,197
  pour cut-out: 3589,1265 3589,1315 3539,1315 3539,1265
  pour cut-out: 4219.04,1268.4 4219.04,1323.52 4363.54,1323.52 4363.54,1268.4
  pour cut-out: 4356.83,1234.94 4356.83,1293.99 4455.26,1293.99 4455.26,1234.94
  pour cut-out: 4543.84,1451.47 4543.84,1510.53 4642.27,1510.53 4642.27,1451.47
  pour cut-out: 4635.31,1324.01 4593.55,1365.77 4663.15,1435.37 4704.9,1393.61
  pour cut-out: 2383,1218 2680.02,1218 2679.97,1288 2383,1288
  pour cut-out: 20.98,1110.4 141.17,1110.4 140.94,1389 21.01,1389
  pour cut-out: 1141,1008 1141,1058 1091,1058 1091,1008
  pour cut-out: 443,2038 393,2038 393,1988 443,1988
  pour cut-out: 3401,1405 3351,1405 3351,1355 3401,1355
  pour cut-out: 2392,2090 1905,2090 1905,2040 2392,2040
  pour cut-out: 872,46 872,96 822,96 822,46
  pour cut-out: 805,225 805,275 755,275 755,225
  pour cut-out: 796,45 796,128.5 746,128.5 746,45
  pour cut-out: 443,1717.91 393,1717.91 393,1667.91 443,1667.91
Mid-Layer 1:
  pour cut-out: 2013.26,1530 2013.26,1621 2106.74,1621 2106.74,1530
  pour cut-out: 5063.73,1987.2 4972.73,1987.2 4972.73,2029.53 5063.73,2029.53
  pour cut-out: 1114.76,1142 1114.76,1233 1265.24,1233 1265.24,1142
  pour cut-out: 3625.13,2313.5 3625.13,2404.5 3755,2404.5 3755,2313.5
  pour cut-out: 3377.26,448 3377.26,539 3470.74,539 3470.74,448
  pour cut-out: 608.26,455 608.26,572 701.74,572 701.74,455
  pour cut-out: 921.26,610 921.26,701 1014.74,701 1014.74,610
  pour cut-out: 2981.26,470 2981.26,561 3074.74,561 3074.74,470
  pour cut-out: 2233.26,756 2233.26,847 2326.74,847 2326.74,756
  pour cut-out: 2228.26,673 2228.26,764 2321.74,764 2321.74,673
  pour cut-out: 2386.52,702.5 2386.52,793.5 2480,793.5 2480,702.5
  pour cut-out: 2361,589.5 2361,680.5 2454.48,680.5 2454.48,589.5
  pour cut-out: 2554.26,1051 2554.26,1142 2703,1142 2703,1051
  pour cut-out: 4748.52,1922.5 4748.52,2249.5 4842,2249.5 4842,1922.5
  pour cut-out: 293.26,2407 293.26,2498 386.74,2498 386.74,2407
  pour cut-out: 2766.26,687 2766.26,778 2859.74,778 2859.74,687
  pour cut-out: 2812.52,810.5 2812.52,901.5 2906,901.5 2906,810.5
  pour cut-out: 2920.26,807.54 2920.26,898.54 3013.74,898.54 3013.74,807.54
  pour cut-out: 2888.56,654 2888.56,745 2982.04,745 2982.04,654
  pour cut-out: 1120,586 1120,677 1249.87,677 1249.87,586
  pour cut-out: 3151.26,551 3151.26,715 3244.74,715 3244.74,551
  pour cut-out: 3345.63,755 3345.63,846 3580.37,846 3580.37,755
  pour cut-out: 538.52,1964.5 538.52,2055.5 632,2055.5 632,1964.5
  pour cut-out: 539.52,1648.41 539.52,1739.41 633,1739.41 633,1648.41
  pour cut-out: 1859.52,378.5 1859.52,469.5 1953,469.5 1953,378.5
  pour cut-out: 931.26,216 931.26,307 1024.74,307 1024.74,216
  pour cut-out: 2899.26,1653 2899.26,1744 2992.74,1744 2992.74,1653
  pour cut-out: 2900.26,1576 2900.26,1667 2993.74,1667 2993.74,1576
Multi-Layer:
  pour cut-out: 4949.67,2500.85 5222.49,2773.67 5648.18,2347.98 5375.36,2075.16
  pour cut-out: 5376.05,425.53 5648.87,152.71 5223.18,-272.98 4950.36,-0.16

## Silkscreen, mask and mechanical layers (free items; w line width, h text height)
Top Overlay:
  drawing of 88 lines, arcs and shapes, not listed
  text "DEFAULT" at 4189.96,2456.28 h51.18
  text "nRF ONLY" at 3902.56,2455.71 h51.18
  text "GND" at 3597.99,2429.47 h59.06
  text "GND" at 437.99,2426 h59.06
  text "GND" at 4870,2300 h59.06
  text "LED1" at 4315.76,2151.73 h70.87
  text "LED2" at 4563.79,2151.73 h70.87
  text "Debug out" at 15.99,2131 h70.87
  text "P0.11" at 3455,2078 h59.06
  text "P0.12" at 3920,2066.93 h59.06
  text "NC" at 3320.89,2023.69 h59.06 r90
  text "NC" at 3421.77,2023.69 h59.06 r90
  text "LED3" at 4315.76,2002.73 h70.87
  text "LED4" at 4563.79,2002.73 h70.87
  text "VDD_HV" at 40,1999 h51.18
  text "P0.13" at 3455,1978 h59.06
  text "P0.14" at 3920,1978 h59.06
  text "P0.27" at 760,1964 h59.06 r90
  text "P0.26" at 860,1964 h59.06 r90
  text "P0.02" at 960,1964 h59.06 r90
  text "GND" at 1060,1964 h59.06 r90
  text "P1.15" at 1160,1964 h59.06 r90
  text "P1.14" at 1260,1964 h59.06 r90
  text "P1.13" at 1360,1964 h59.06 r90
  text "P1.12" at 1460,1964 h59.06 r90
  text "P1.11" at 1560,1964 h59.06 r90
  text "P1.10" at 1660,1964 h59.06 r90
  text "P1.08" at 1820,1964 h59.06 r90
  text "P1.07" at 1920,1964 h59.06 r90
  text "P1.06" at 2020,1964 h59.06 r90
  text "P1.05" at 2120,1964 h59.06 r90
  text "P1.04" at 2220,1964 h59.06 r90
  text "P1.03" at 2320,1964 h59.06 r90
  text "P1.02" at 2420,1964 h59.06 r90
  text "P0.10" at 2720,1964 h59.06 r90
  text "P0.09" at 2820,1964 h59.06 r90
  text "P0.08" at 2920,1964 h59.06 r90
  text "P0.07" at 3020,1964 h59.06 r90
  text "P0.06" at 3120,1964 h59.06 r90
  text "P0.05" at 3220,1964 h59.06 r90
  text "P0.15" at 3455,1878 h59.06
  text "P0.16" at 3920,1878 h59.06
  text ".PCBNumber" at 2619.95,1861.12 h70.87
  text "nRF current" at 38,1858 h70.87
  text ".PCBRevision" at 2606.57,1809.81 h60
  text "measurement" at 19,1807 h70.87
  text "Alt." at 3140,1785 h59.06
  text "Def." at 3285,1785 h59.06
  text "P0.17" at 3455,1778 h59.06
  text "P0.18" at 3920,1778 h59.06
  text "P0.19" at 3455,1678 h59.06
  text "P0.20" at 3920,1678 h59.06
  text "VDD" at 40,1676 h51.18
  text "VIO / REF" at 1878.15,1618.96 h47.24 r90
  text "VTG" at 957,1614.14 h47.24 r90
  text "(ARDUINO D0) P1.01" at 2522,1611.31 h59.06 r90
  text "VDD / nRF" at 778,1608.04 h47.24 r90
  text "VDD / nRF'" at 878,1608.04 h47.24 r90
  text "VIN / 3-5V" at 1577.76,1602.24 h47.24 r90
  text "SWO" at 1257,1599.02 h47.24 r90
  text "SWD / IO" at 1083,1598.62 h47.24 r90
  text "SWD / CLK" at 1183,1598.62 h47.24 r90
  text "TRACE" at 3165,1595 h59.06
  text "RESET" at 1357.28,1585.69 h47.24 r90
  text "P0.21" at 3455,1578 h59.06
  text "P0.22" at 3920,1578 h59.06
  text "VDD / nRF_HV" at 1678,1535.96 h47.24 r90
  text "VDD / nRF_HV'" at 1778,1528.43 h47.24 r90
  text "P0.23" at 3455,1478 h59.06
  text "P0.24" at 3920,1478 h59.06
  text "P1.14" at 2274.3,1381.17 h60
  text "5V" at 2726.3,1379.17 h60
  text "P0.25" at 3455,1378 h59.06
  text "P1.00" at 3920,1378 h59.06
  text "Li-Po   VDD   USB" at 721,1376 h59.06
  text "nRF power source" at 686,1311 h70.87
  text "P1.13" at 2726.3,1282.17 h60
  text "P1.15" at 2272.3,1281.17 h60
  text "P1.09" at 3455,1278 h59.06
  text "GND" at 3920,1278 h59.06
  text "DETECT" at 2722.84,1184 h60
  text "RESET" at 2242.3,1181.17 h60
  text "Debug in" at 3129,910.23 h70.87
  text "External supply" at 10.99,884 h70.87
  text "FLOW  / CONTROL" at 1649.26,850.32 h65
  text "-" at 540.99,785 h60
  text "VCOM" at 1458.66,741.14 h65
  text "+" at 540.99,685 h60
  text "Button 1" at 4039.13,676.75 h82.68
  text "Button 2" at 4434.67,676.75 h82.68
  text "ON" at 1658.46,654.53 h65
  text "OFF" at 1800.2,654.53 h65
  text "Li-po" at 105.31,607.28 h70.87
  text "-" at 225,532 h40
  text "+" at 225,432 h40
  text "N.C." at 1821,412 h59.06 r90
  text "VDD" at 1116.75,411.87 h59.06 r90
  text "VDD" at 1216.75,411.87 h59.06 r90
  text "RESET" at 1316.75,411.87 h59.06 r90
  text "VDD" at 1416.75,411.87 h59.06 r90
  text "5V" at 1516.75,411.87 h59.06 r90
  text "GND" at 1616.75,411.87 h59.06 r90
  text "GND" at 1716.75,411.87 h59.06 r90
  text "P0.03 (A0)" at 2016.75,411.87 h59.06 r90
  text "P0.04" at 2116.75,411.87 h59.06 r90
  text "P0.28" at 2216.75,411.87 h59.06 r90
  text "P0.29" at 2316.75,411.87 h59.06 r90
  text "P0.30" at 2416.75,411.87 h59.06 r90
  text "P0.31" at 2516.75,411.87 h59.06 r90
  text "NFC" at 4847.37,390.78 h82.68
  text "nRF21540-DK" at 5196.85,339.57 h165.35 r90
  text "Button 4" at 4436.67,315.4 h82.68
  text "Button 3" at 4036.13,314.96 h82.68
  text "IF BOOT/RESET" at 2831,306.5 h70.87
  text "nRF USB" at 3397.57,280.73 h82.68
  text "VEXT   nRF" at 655.09,273.06 h70.87
  text "GND" at 2732,203 h59.06
  text "Power" at 453,126 h70.87 r90
  text "GND" at 2692.98,29.94 h59.06
  text "ON" at 20.13,8 h59.06
  text "OFF" at 345.65,8 h59.06
  text "OFF" at 709,8 h59.06
  text "ON" at 844,8 h59.06
Bottom Overlay:
  drawing of 1178 lines, arcs and shapes, not listed
  text "J-Link" at 395,2465.1 h57 r90
  text "www.segger.com" at 440.3,2461.9 h66 r90
  text "TM" at 378.4,2328.5 h37 r90
  text "S" at 321.8,2320.1 h53 r90
  text "E" at 321.8,2285.07 h53 r90
  text "Technology" at 395,2278 h57 r90
  text "G" at 321.8,2254.2 h53 r90
  text "G" at 321.8,2215.2 h53 r90
  text "E" at 321.8,2174.9 h53 r90
  text "R" at 321.8,2142 h53 r90
  text "P0.27" at 759.96,2091 h59.06 r90
  text "P0.26" at 859.96,2091 h59.06 r90
  text "P0.02" at 959.96,2091 h59.06 r90
  text "GND" at 1060,2091 h59.06 r90
  text "P1.15" at 1159.96,2091 h59.06 r90
  text "P1.14" at 1259.96,2091 h59.06 r90
  text "P1.13" at 1359.96,2091 h59.06 r90
  text "P1.12" at 1459.96,2091 h59.06 r90
  text "P1.11" at 1559.96,2091 h59.06 r90
  text "P1.10" at 1659.96,2091 h59.06 r90
  text "P1.08" at 1819.96,2091 h59.06 r90
  text "P1.07" at 1920,2091 h59.06 r90
  text "P1.06 (D5)" at 2020,2091 h59.06 r90
  text "P1.05 (D4)" at 2120,2091 h59.06 r90
  text "P1.04 (D3)" at 2220,2091 h59.06 r90
  text "P1.03 (D2)" at 2320,2091 h59.06 r90
  text "P1.02 (D1)" at 2420,2091 h59.06 r90
  text "P1.01 (ARDUINO D0)" at 2520,2091 h59.06 r90
  text "P0.10" at 2720,2091 h59.06 r90
  text "P0.09" at 2820,2091 h59.06 r90
  text "P0.08" at 2920,2091 h59.06 r90
  text "P0.07" at 3020,2091 h59.06 r90
  text "P0.06" at 3120,2091 h59.06 r90
  text "P0.05" at 3220,2091 h59.06 r90
  text "(SCL)" at 803.96,2050 h59.06 r90
  text "(SDA)" at 903.96,2050 h59.06 r90
  text "(AREF)" at 1003.96,2050 h59.06 r90
  text "(D13)" at 1203.96,2050 h59.06 r90
  text "(D12)" at 1303.96,2050 h59.06 r90
  text "(D11)" at 1403.96,2050 h59.06 r90
  text "(D10)" at 1503.96,2050 h59.06 r90
  text "(D9)" at 1603.96,2050 h59.06 r90
  text "(D8)" at 1703.96,2050 h59.06 r90
  text "(D7)" at 1863.96,2050 h59.06 r90
  text "(D6)" at 1963.96,2050 h59.06 r90
  text "For evaluation only; not FCC approved for resale." at 5282.48,1932.33 h78.74 r90
  text "GPIO" at 4088,1917.35 h78.5 r90
  text "P0.11" at 4184.8,1915 h75 r90
  text "P0.12" at 4290.8,1915 h75 r90
  text "P0.24" at 4396.8,1915 h75 r90
  text "P0.25" at 4502.8,1915 h75 r90
  text "P0.13" at 4608.8,1915 h75 r90
  text "P0.14" at 4714.8,1915 h75 r90
  text "P0.15" at 4820.8,1915 h75 r90
  text "P0.16" at 4926.8,1915 h75 r90
  text "Button 1" at 4184.8,1691.55 h75 r90
  text "Button 2" at 4290.8,1691.55 h75 r90
  text "Button 3" at 4396.8,1691.55 h75 r90
  text "Button 4" at 4502.8,1691.55 h75 r90
  text "Function" at 4088,1683.07 h78.5 r90
  text "LED 4" at 4926.8,1650.46 h75 r90
  text "LED 2" at 4714.8,1649.55 h75 r90
  text "LED 3" at 4820.8,1649.8 h75 r90
  text "GPIO" at 1076,1645.87 h78.5 r90
  text "P0.05" at 1174,1645 h75 r90
  text "P0.06" at 1280,1645 h75 r90
  text "P0.07" at 1386,1645 h75 r90
  text "P0.08" at 1492,1645 h75 r90
  text "P0.18" at 1598,1645 h75 r90
  text "P1.00" at 1704,1645 h75 r90
  text "P0.09" at 2056,1645 h75 r90
  text "P0.10" at 2236,1645 h75 r90
  text "LED 1" at 4608.8,1645.77 h75 r90
  text "SWDCLK" at 1916,1544 h75 r90
  text "SWDIO" at 1810,1509 h75 r90
  text "Function" at 1073.82,1408.46 h78.5 r90
  text "RESET" at 1597,1384.67 h75 r90
  text "SWO" at 1704,1374.08 h75 r90
  text "NFC2" at 2237,1370.72 h75 r90
  text "NFC1" at 2057,1366.94 h75 r90
  text "SB5" at 4608.8,1365 h75 r90
  text "SB6" at 4714.8,1365 h75 r90
  text "SB7" at 4820.8,1365 h75 r90
  text "SB8" at 4926.8,1365 h75 r90
  text "TXD" at 1280,1359.41 h75 r90
  text "RXD" at 1492,1359.86 h75 r90
  text "CTS" at 1386,1353.72 h75 r90
  text "RTS" at 1174,1350.07 h75 r90
  text "Short" at 4088,1337.6 h78.5 r90
  text "HW" at 1091.75,1120 h78.5 r90
  text "IF / MCU" at 1709,1105 h59.06 r90
  text "GPIO" at 1369,1095 h59.06 r90
  text "GPIO" at 2280.73,1038.6 h59.06 r90
  text "HW" at 4088,1004.68 h78.5 r90
  text "N.C" at 2160,995 h43.31 r90
  text "PIN" at 2003.28,951.6 h59.06 r90
  text "VDD" at 4642.8,910.49 h59.06 r90
  text "0R" at 2270,875 h43.31 r90
  text "IF OFF" at 1525,835 h59.06 r90
  text "NFC" at 2124.28,835.6 h59.06 r90
  text "Button 1" at 4186,714.86 h75 r90
  text "Button 2" at 4292,714.86 h75 r90
  text "Function" at 4603,680.49 h59.06 r90
  text "Default" at 4910,676.49 h59.06 r90
  text "Funct." at 4088,675.37 h78.5 r90
  text "CTS" at 4398,646.8 h75 r90
  text "P0.03 (A0)" at 2015,641.22 h59.06 r90
  text "P0.30 (A4)" at 2414.75,639.53 h59.06 r90
  text "P0.28 (A2)" at 2215,634.78 h59.06 r90
  text "P0.29 (A3)" at 2315,634.29 h59.06 r90
  text "P0.04 (A1)" at 2115,629.21 h59.06 r90
  text "P0.31 (A5)" at 2515,624.84 h59.06 r90
  text "RESET" at 1319.75,541.2 h59.06 r90
  text "GND" at 1619.75,515.21 h59.06 r90
  text "GND" at 1716.75,515.21 h59.06 r90
  text "VDD" at 1120,508.87 h59.06 r90
  text "VDD" at 1220,508.87 h59.06 r90
  text "VDD" at 1420,508.87 h59.06 r90
  text "N.C." at 1821.75,496.92 h59.06 r90
  text "5V" at 1521,466.94 h59.06 r90
  text "HW" at 4498,459.68 h78.5 r90
  text "P0.11" at 4186,416.49 h75 r90
  text "P0.12" at 4292,416.49 h75 r90
  text "P0.07" at 4398,416.49 h75 r90
  text "Def." at 4088,392 h78.5 r90
  text "Alternative" at 4900,356.49 h59.06 r90
  text "TRACE / SW" at 4773,340.49 h59.06 r90
  text "P1.07" at 4186,221.49 h75 r90
  text "P1.08" at 4292,221.49 h75 r90
  text "P0.04" at 4398,221.49 h75 r90
  text "Alt." at 4088,184.68 h78.5 r90
Board Outline:
  lines w10: -0.1,1095.7 ccw(c-69.2,1160.14) 25.29,1160.14 25.29,1339.86 ccw(c-69.2,1339.86) -0.1,1404.3 ; 0,1095.81 0,40 ccw(c40,40) 40,0 3232.24,0 ccw(c3232.24,25) 3257.24,25 3257.24,35 cw(c3282.24,35) 3282.24,60 3783.05,60 cw(c3783.05,35) 3808.05,35 3808.05,25 ccw(c3833.05,25) 3833.05,0 5335,0 ccw(c5335,40) 5375,40 5375,2460 ccw(c5335,2460) 5335,2500 40,2500 ccw(c40,2460) 0,2460 0,1404.19
Top Assembly:
  drawing of 46 lines, arcs and shapes, not listed
Bottom Assembly:
  drawing of 46 lines, arcs and shapes, not listed
Top Impedance Info:
  drawing of 183 lines, arcs and shapes, not listed
  text "90ohm differential impedance" at 292,1393 h40
  text "50ohm single ended (coplanar) impedance" at 5110.24,1082.68 h40 r90
  text "90ohm differential impedance" at 3561.02,608.27 h40 r45

## Dimensions
5335,2460 to 5361.22,2586.22 on Dimensions
0,40 to 3550,2200 on Dimensions
0,40 to 5375,40 on Dimensions
0,40 to 550,300 on Dimensions
0,40 to 600,2200 on Dimensions
0,40 to 2600,500 on Dimensions
0,40 to 3800,300 on Dimensions
5335,0 to 5335,2500 on Dimensions
5335,0 to 550,300 on Dimensions
5335,0 to 2600,500 on Dimensions
5335,0 to 2600,1600 on Dimensions
5335,0 to 600,2200 on Dimensions

## Text inside footprints (layer, text, board x,y; h text height)
P18: Top Overlay "1" at 3400,1150 h40
P19: Top Overlay "1" at 294,2192 h40
P25: Top Overlay "1" at 3401.57,1500.98 h40
SW9: Top Overlay "NN" at 1159.41,1482.54 h40 r90